# Altium PCB TD4_CPU.PcbDoc (part 1 of 3) (continued)
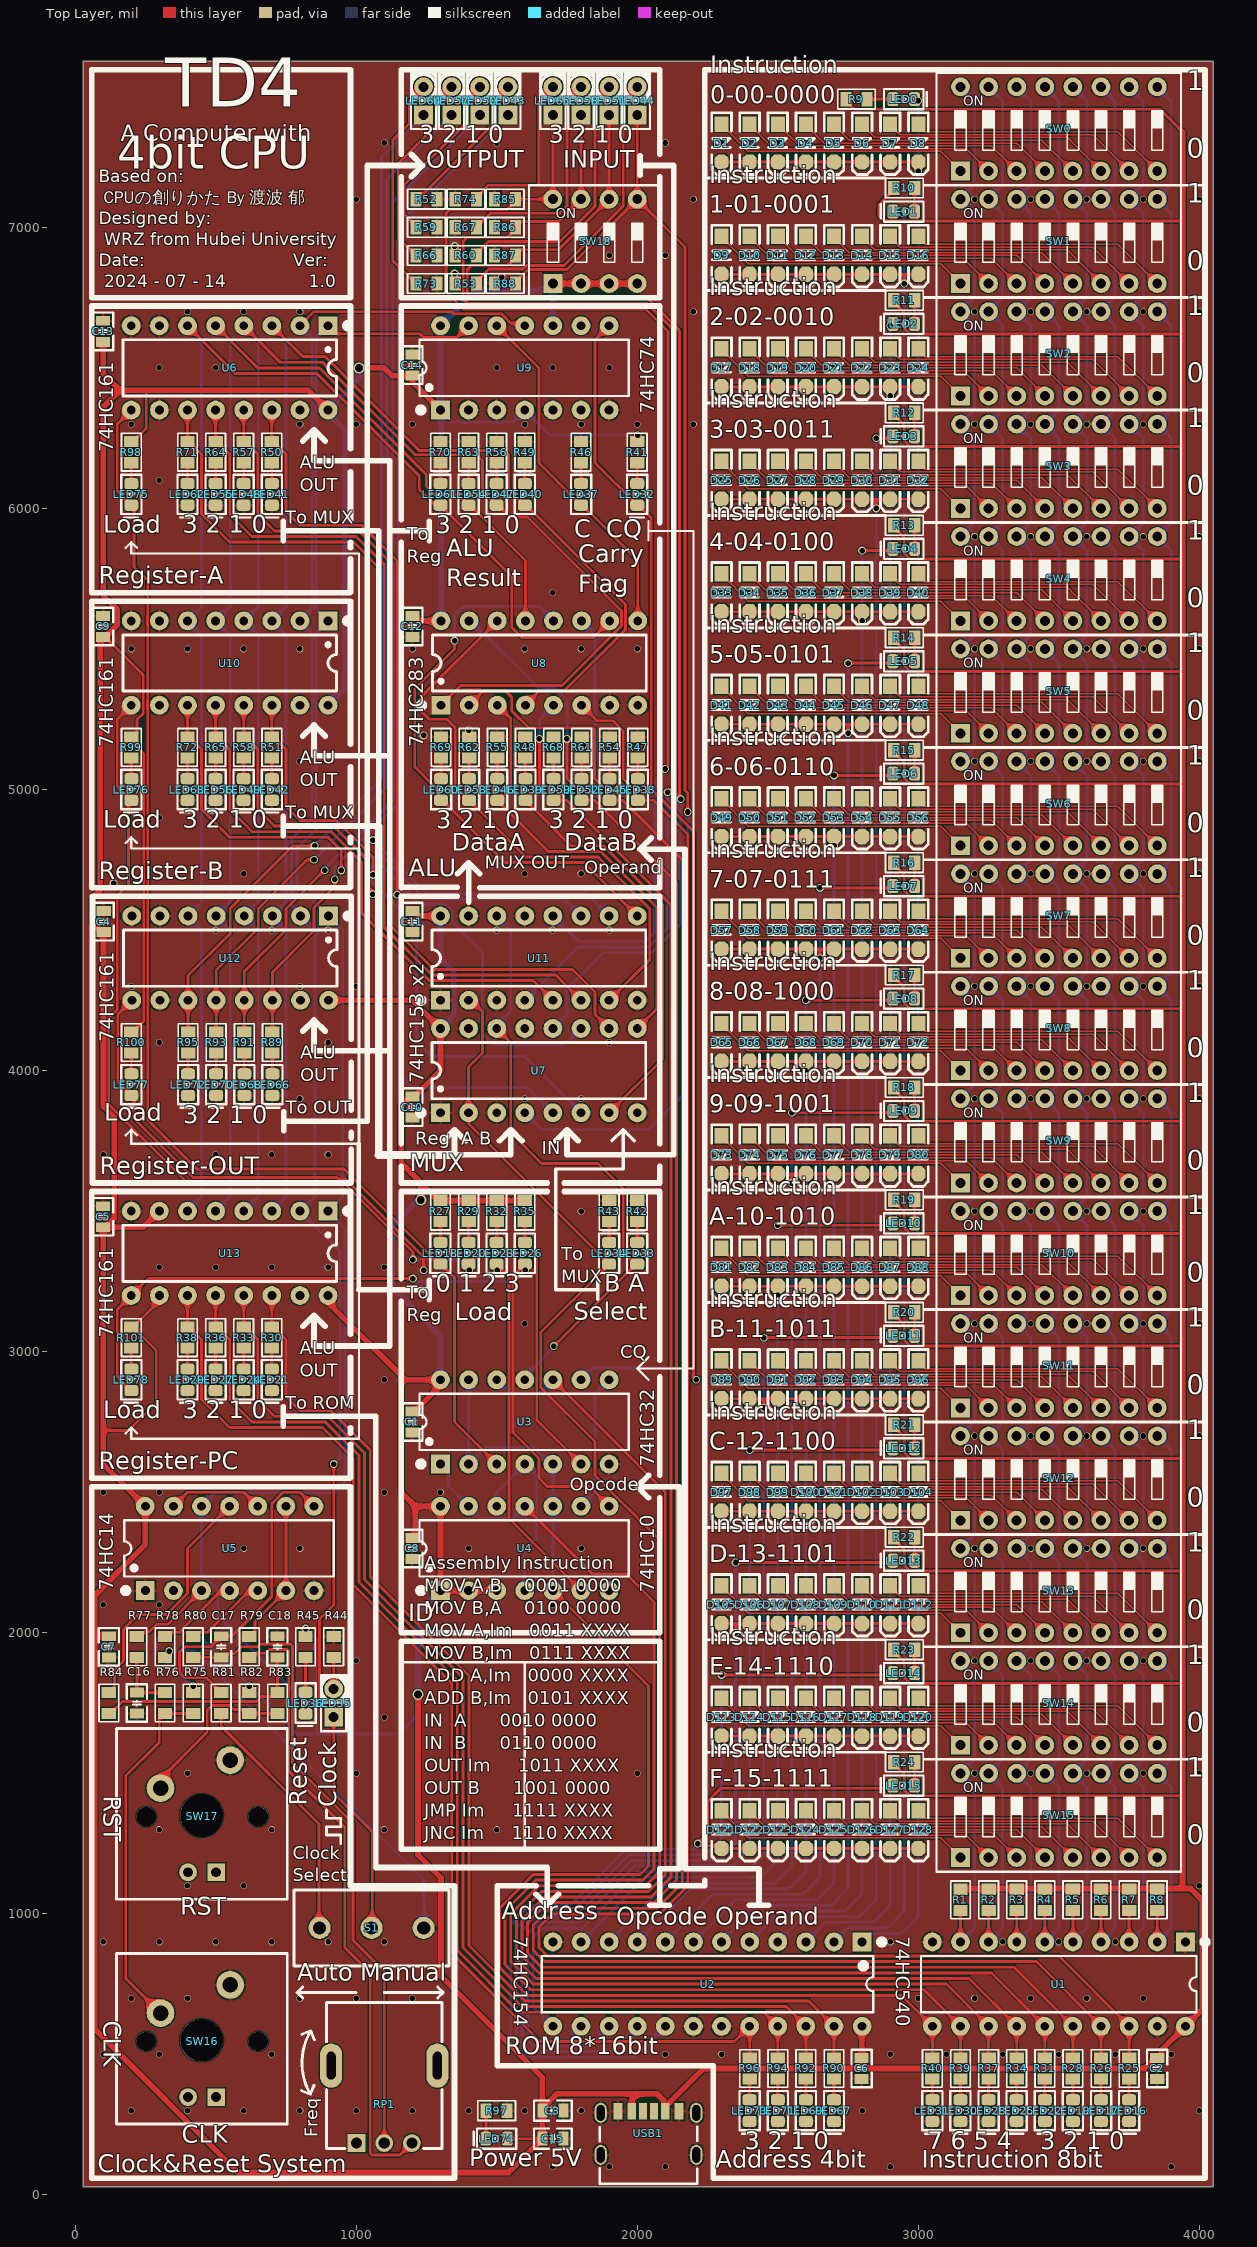
[diagram p0: Top Layer view]
## Components (designator, comment, footprint, x,y, rotation, side; value= is the part's Value field where it differs from the comment) (continued)
R35 "1K" R0805_L 1600,3500 r90 top
R36 "3K9" R0805_L 500,3050 r90 top
R37 "1K" R0805_L 3250,450 r90 top
R38 "3K9" R0805_L 400,3050 r90 top
R39 "1K" R0805_L 3150,450 r90 top
R40 "1K" R0805_L 3050,450 r90 top
R41 "1K" R0805_L 2000,6200 r90 top
R42 "820R" R0805_L 2000,3500 r270 top
R43 "820R" R0805_L 1900,3500 r270 top
R44 "1K" R0805_L 920,1950 r270 top
R45 "1K5" R0805_L 820,1950 r270 top
R46 "820R" R0805_L 1800,6200 r270 top
R47 "1K" R0805_L 2002,5150 r270 top
R48 "1K" R0805_L 1602,5150 r270 top
R49 "220R" R0805_L 1600,6200 r270 top
R50 "3K9" R0805_L 700,6200 r90 top
R51 "3K9" R0805_L 700,5150 r90 top
R52 "3K9" R0805_L 1250,7100 r180 top
R53 "1K" R0805_L 1390,6800 r0 top
R54 "1K" R0805_L 1902,5150 r270 top
R55 "1K" R0805_L 1502,5150 r270 top
R56 "220R" R0805_L 1500,6200 r270 top
R57 "3K9" R0805_L 600,6200 r90 top
R58 "3K9" R0805_L 600,5150 r90 top
R59 "3K9" R0805_L 1250,7000 r180 top
R60 "1K" R0805_L 1390,6900 r0 top
R61 "1K" R0805_L 1802,5150 r270 top
R62 "1K" R0805_L 1402,5150 r270 top
R63 "220R" R0805_L 1400,6200 r270 top
R64 "3K9" R0805_L 500,6200 r90 top
R65 "3K9" R0805_L 500,5150 r90 top
R66 "3K9" R0805_L 1250,6900 r180 top
R67 "1K" R0805_L 1390,7000 r0 top
R68 "1K" R0805_L 1702,5150 r270 top
R69 "1K" R0805_L 1302,5150 r270 top
R70 "220R" R0805_L 1300,6200 r270 top
R71 "3K9" R0805_L 400,6200 r90 top
R72 "3K9" R0805_L 400,5150 r90 top
R73 "3K9" R0805_L 1250,6800 r180 top
R74 "1K" R0805_L 1390,7100 r0 top
R75 "1K" R0805_L 420,1750 r90 top
R76 "10K" R0805_L 320,1750 r90 top
R77 "100K" R0805_L 220,1950 r90 top
R78 "100R" R0805_L 320,1950 r270 top
R79 "1K" R0805_L 620,1950 r90 top
R80 "100K" R0805_L 420,1950 r90 top
R81 "100R" R0805_L 520,1750 r270 top
R82 "1K" R0805_L 620,1750 r90 top
R83 "1K" R0805_L 720,1750 r90 top
R84 "1K" R0805_L 120,1750 r90 top
R85 "10K" R0805_L 1530,7100 r180 top
R86 "10K" R0805_L 1530,7000 r180 top
R87 "10K" R0805_L 1530,6900 r180 top
R88 "10K" R0805_L 1530,6800 r180 top
R89 "3K9" R0805_L 702,4100 r90 top
R90 "3K9" R0805_L 2700,450 r90 top
R91 "3K9" R0805_L 602,4100 r90 top
R92 "3K9" R0805_L 2600,450 r90 top
R93 "3K9" R0805_L 502,4100 r90 top
R94 "3K9" R0805_L 2500,450 r90 top
R95 "3K9" R0805_L 402,4100 r90 top
R96 "3K9" R0805_L 2400,450 r90 top
R97 "1K5" R0805_L 1500,300 r180 top
R98 "1K" R0805_L 200,6200 r90 top
R99 "1K" R0805_L 200,5150 r90 top
R100 "1K" R0805_L 200,4100 r90 top
R101 "1K" R0805_L 200,3050 r90 top
RP1 "50K" XV09223NPV-20F 1100,460 r0 top
S1 "SS-12F23" SS-12D10 1054.96,950 r180 top
SW0 "DIP-SW-8P" "SW DIP-8P-B" 3500,7350 r0 top
SW1 "DIP-SW-8P" "SW DIP-8P-B" 3500,6950 r0 top
SW2 "DIP-SW-8P" "SW DIP-8P-B" 3500,6550 r0 top
SW3 "DIP-SW-8P" "SW DIP-8P-B" 3500,6150 r0 top
SW4 "DIP-SW-8P" "SW DIP-8P-B" 3500,5750 r0 top
SW5 "DIP-SW-8P" "SW DIP-8P-B" 3500,5350 r0 top
SW6 "DIP-SW-8P" "SW DIP-8P-B" 3500,4950 r0 top
SW7 "DIP-SW-8P" "SW DIP-8P-B" 3500,4550 r0 top
SW8 "DIP-SW-8P" "SW DIP-8P-B" 3500,4150 r0 top
SW9 "DIP-SW-8P" "SW DIP-8P-B" 3500,3750 r0 top
SW10 "DIP-SW-8P" "SW DIP-8P-B" 3500,3350 r0 top
SW11 "DIP-SW-8P" "SW DIP-8P-B" 3500,2950 r0 top
SW12 "DIP-SW-8P" "SW DIP-8P-B" 3500,2550 r0 top
SW13 "DIP-SW-8P" "SW DIP-8P-B" 3500,2150 r0 top
SW14 "DIP-SW-8P" "SW DIP-8P-B" 3500,1750 r0 top
SW15 "DIP-SW-8P" "SW DIP-8P-B" 3500,1350 r0 top
SW16 "Cherry" "LSW DIP-CHERRY-Hat" 450,550 r0 top
SW17 "Cherry" "LSW DIP-CHERRY-Hat" 450,1350 r0 top
SW18 "DIP-SW-4P" "SW DIP-4P-B" 1850,6950 r0 top
U1 "SN74HC540" DIP20-300_MH 3500,750 r270 top
U2 "SN74HC154" DIP24-300_MH 2250,750 r270 top
U3 "SN74HC32" DIP14-300_MH 1600,2750 r90 top
U4 "SN74HC10" DIP14-300_MH 1600,2300 r90 top
U5 "SN74HC14" DIP14-300_MH 550,2300 r90 top
U6 "SN74HC161" DIP16-300_MH 550,6500 r270 top
U7 "SN74HC153" DIP16-300_MH 1650,4000 r90 top
U8 "SN74HC283" DIP16-300_MH 1652,5450 r90 top
U9 "SN74HC74" DIP14-300_MH 1600,6500 r90 top
U10 "SN74HC161" DIP16-300_MH 550,5450 r270 top
U11 "SN74HC153" DIP16-300_MH 1650,4400 r90 top
U12 "SN74HC161" DIP16-300_MH 552,4400 r270 top
U13 "SN74HC161" DIP16-300_MH 550,3350 r270 top
USB1 "USB_TYPE-C_6Pin" USB-C-SMD_6P 2040,220 r90 top

## Footprints (in the part's own frame and the unit in brackets; to place one, negate y for a bottom-side part, rotate by r counter-clockwise, add the part's x,y. Pads: shape width x height; smd on the part's side, far side on the other; paste and mask are expansions set on the pad)
C0805_L [mil] "贴片MLCC电容"
  rect 35x50 smd: 1(-37.4,0) 2(37.4,0)
  silkscreen extent -67,-36 67,36, body extent -39,-26 39,26, height 51
DIP14-300_MH [mm] "带底座  19*7.6*3.8(长宽高）"
  rect 1.7x1.7 hole 0.8: 1(-3.81,7.62)
  round 1.7 hole 0.8: 2(-3.81,5.08) 3(-3.81,2.54) 4(-3.81,0) 5(-3.81,-2.54) 6(-3.81,-5.08) 7(-3.81,-7.62) 8(3.81,-7.62) 9(3.81,-5.08) 10(3.81,-2.54) 11(3.81,0) 12(3.81,2.54) 13(3.81,5.08) 14(3.81,7.62)
  silkscreen extent -4.06,-9.4 2.54,9.65, body extent -5,-9.5 5,9.5, height 7.3
DIP16-300_MH [mm] "带底座 19.3*7.6*3.8(长宽高）"
  rect 1.7x1.7 hole 0.8: 1(-3.81,8.89)
  round 1.7 hole 0.8: 2(-3.81,6.35) 3(-3.81,3.81) 4(-3.81,1.27) 5(-3.81,-1.27) 6(-3.81,-3.81) 7(-3.81,-6.35) 8(-3.81,-8.89) 9(3.81,-8.89) 10(3.81,-6.35) 11(3.81,-3.81) 12(3.81,-1.27) 13(3.81,1.27) 14(3.81,3.81) 15(3.81,6.35) 16(3.81,8.89)
  silkscreen extent -4.06,-9.65 2.54,10.92, body extent -4.98,-10.25 5,10.25, height 7.5
DIP20-300_MH [mm] "带底座 26.4*7.6*3.8(长宽高）"
  rect 1.7x1.7 hole 0.8: 1(-3.81,11.43)
  round 1.7 hole 0.8: 2(-3.81,8.89) 3(-3.81,6.35) 4(-3.81,3.81) 5(-3.81,1.27) 6(-3.81,-1.27) 7(-3.81,-3.81) 8(-3.81,-6.35) 9(-3.81,-8.89) 10(-3.81,-11.43) 11(3.81,-11.43) 12(3.81,-8.89) 13(3.81,-6.35) 14(3.81,-3.81) 15(3.81,-1.27) 16(3.81,1.27) 17(3.81,3.81) 18(3.81,6.35) 19(3.81,8.89) 20(3.81,11.43)
  silkscreen extent -4.06,-12.45 2.54,13.46, body extent -5,-13.2 4.98,13.2, height 7.7
DIP24-300_MH [mm] "带底座 31*7.6*3.8(长宽高）"
  rect 1.7x1.7 hole 0.8: 1(-3.81,13.97)
  round 1.7 hole 0.8: 2(-3.81,11.43) 3(-3.81,8.89) 4(-3.81,6.35) 5(-3.81,3.81) 6(-3.81,1.27) 7(-3.81,-1.27) 8(-3.81,-3.81) 9(-3.81,-6.35) 10(-3.81,-8.89) 11(-3.81,-11.43) 12(-3.81,-13.97) 13(3.81,-13.97) 14(3.81,-11.43) 15(3.81,-8.89) 16(3.81,-6.35) 17(3.81,-3.81) 18(3.81,-1.27) 19(3.81,1.27) 20(3.81,3.81) 21(3.81,6.35) 22(3.81,8.89) 23(3.81,11.43) 24(3.81,13.97)
  silkscreen extent -4.06,-14.99 2.54,16, body extent -5.02,-15.5 5.03,15.5, height 7.7
LED0805_B [mil] "蓝色0805LED"
  rrect50% 40x50 smd: 1(-38.4,0) 2(38.4,0)
  silkscreen extent -70,-36 82,36, body extent -39,-25 39,25, height 32
"LED F257-W - duplicate" [mm] "透明色2mm*5mm*7mm(长*宽*高)"
  rect 1.7x1.7 hole 0.9: 1(-1.27,0)
  round 1.7 hole 0.9: 2(1.27,0)
  silkscreen extent -2.54,-1.14 2.54,1.14, body extent -2.5,-1 2.5,1, height 7
"LSW DIP-CHERRY-Hat" [mm]
  round 2.5 hole 1.4: 1(-3.708,2.464) 2(2.591,5.004)
  rect 1.6x1.6 hole 0.9: 3(1.321,-5.131)
  round 1.6 hole 0.9: 4(-1.219,-5.131)
  round 1.75 hole 1.75: ""(-5.004,-0.102) ""(5.131,-0.102)
  round 3.85 hole 3.85: ""(0,0)
  silkscreen extent -7.7,-7.57 7.75,7.85, body extent -9,-9 9,9, height 18
R0805_L [mm] "1/8W贴片电阻"
  rect 1x1.3 smd: 1(-0.95,0) 2(0.95,0)
  silkscreen extent -1.7,-0.89 1.7,0.89, body extent -1,-0.62 1,0.63, height 0.5
SOD-123 [mil] "2.7x1.6X1.1mm（长宽高，不包括引脚） 淘宝ID:黄晶宝石"
  rect 55x50 smd: 1(-67.5,0)
  oct 55x50 smd: 2(67.5,0)
  silkscreen extent -108,-35 112,35, body extent -73,-32 73,31, height 50
SS-12D10 [mm] "脚距3mm      淘宝ID:黄晶宝石"
  round 2 hole 1.2: 1(-4.7,0) 2(0,0) 3(4.7,0)
  silkscreen extent -7,-3.43 7,3.43, body extent -7,-3.1 7,3.1, height 9.65
"SW DIP-4P-B" [mm] "11.7*9.9*7mm"
  rect 1.7x1.7 hole 0.9: 1(-3.81,-3.81)
  round 1.7 hole 0.9: 2(-1.27,-3.81) 3(1.27,-3.81) 4(3.81,-3.81) 5(3.81,3.81) 6(1.27,3.81) 7(-1.27,3.81) 8(-3.81,3.81)
  silkscreen extent -5.97,-5.08 5.97,5.08, body extent -5.21,-3.92 5.21,3.93, height 5.2
"SW DIP-8P-B" [mm] "21.9*9.9*7mm"
  rect 1.7x1.7 hole 0.9: 1(-8.89,-3.81)
  round 1.7 hole 0.9: 2(-6.35,-3.81) 3(-3.81,-3.81) 4(-1.27,-3.81) 5(1.27,-3.81) 6(3.81,-3.81) 7(6.35,-3.81) 8(8.89,-3.81) 9(8.89,3.81) 10(6.35,3.81) 11(3.81,3.81) 12(1.27,3.81) 13(-1.27,3.81) 14(-3.81,3.81) 15(-6.35,3.81) 16(-8.89,3.81)
  silkscreen extent -11.05,-5.08 11.05,5.08, body extent -10.16,-4.02 10.16,4.02, height 5.2
USB-C-SMD_6P [mil] "封装库来自淘宝ID:黄晶宝石"
  oval 70.82x43.31 hole 27.56 slot 55.16 at 0 deg: 0(-77.75,170.08) 0(-77.75,-170.08) 0(71.85,170.08) 0(71.85,-170.08)
  rect 59x27.6 smd: A5(77.76,19.7) B5(77.76,-19.7)
  rect 59x29.9 smd: A9(77.76,-59.85) B9(77.76,59.85)
  rect 59x31.5 smd: A12(77.76,-108.25) B12(77.76,108.25)
  silkscreen extent -180,-174 22,174, body extent -172,-176 95,176, height 127
XV09223NPV-20F [mm] "长9.85mm，宽11.55mm，高20mm"
  oval 2x4 hole 0.8 slot 2.5 at 90 deg: 0(-4.8,0) 0(4.8,0)
  rect 1.6x1.6 hole 1: 1(-2.5,-7)
  round 1.6 hole 1: 2(0,-7) 3(2.5,-7)
  silkscreen extent -5.21,-7.49 5.21,5.71, body extent -4.92,-7.15 4.93,5.5, height 20

## Part data
C1 C2 C3 C4 C5 C6 C7 C8 C9 C10 C11 C12 C13 C14 C15 C16 C17 C18: library part C, "贴片电容/MLCC电容"
D1 D2 D3 D4 D5 D6 D7 D8 D9 D10 D11 D12 D13 D14 D15 D16 D17 D18 D19 D20 D21 D22 D23 D24 D25 D26 D27 D28 D29 D30 D31 D32 D33 D34 D35 D36 D37 D38 D39 D40 D41 D42 D43 D44 D45 D46 D47 D48 D49 D50 D51 D52 D53 D54 D55 D56 D57 D58 D59 D60 D61 D62 D63 D64 D65 D66 D67 D68 D69 D70 D71 D72 D73 D74 D75 D76 D77 D78 D79 D80 D81 D82 D83 D84 D85 D86 D87 D88 D89 D90 D91 D92 D93 D94 D95 D96 D97 D98 D99 D100 D101 D102 D103 D104 D105 D106 D107 D108 D109 D110 D111 D112 D113 D114 D115 D116 D117 D118 D119 D120 D121 D122 D123 D124 D125 D126 D127 D128: "肖特基二极管"
LED0 LED1 LED2 LED3 LED4 LED5 LED6 LED7 LED8 LED9 LED10 LED11 LED12 LED13 LED14 LED15 LED16 LED17 LED18 LED19 LED20 LED21 LED22 LED23 LED24 LED25 LED26 LED27 LED28 LED29 LED30 LED31 LED32 LED33 LED34 LED35 LED36 LED37 LED38 LED39 LED40 LED41 LED42 LED43 LED44 LED45 LED46 LED47 LED48 LED49 LED50 LED51 LED52 LED53 LED54 LED55 LED56 LED57 LED58 LED59 LED60 LED61 LED62 LED63 LED64 LED65 LED66 LED67 LED68 LED69 LED70 LED71 LED72 LED73 LED74 LED75 LED76 LED77 LED78: library part LED, "贴片LED"
R1 R2 R3 R4 R5 R6 R7 R8 R9 R10 R11 R12 R13 R14 R15 R16 R17 R18 R19 R20 R21 R22 R23 R24 R25 R26 R27 R28 R29 R30 R31 R32 R33 R34 R35 R36 R37 R38 R39 R40 R41 R42 R43 R44 R45 R46 R47 R48 R49 R50 R51 R52 R53 R54 R55 R56 R57 R58 R59 R60 R61 R62 R63 R64 R65 R66 R67 R68 R69 R70 R71 R72 R73 R74 R75 R76 R77 R78 R79 R80 R81 R82 R83 R84 R85 R86 R87 R88 R89 R90 R91 R92 R93 R94 R95 R96 R97 R98 R99 R100 R101: library part R, "贴片电阻"
RP1: library part RP, "单联电位器"
S1: library part SSW-1P, "1路波动开关"
SW0 SW1 SW2 SW3 SW4 SW5 SW6 SW7 SW8 SW9 SW10 SW11 SW12 SW13 SW14 SW15: "8路编码开关"
SW16 SW17: library part LSW, "带灯机械按键开关"
SW18: "4路编码开关"
U1: "OCTAL BUF AND LINE DRV 3SO"
U2: "4-16LINE DEC DEMUL"
U3: "Quad 2-IN Pos Or G"
U4: "Triple 3-IN Pos Nand G"
U5: "Hex Inverter SCH"
U6 U10 U12 U13: "SYN 4-BIT CNT"
U7 U11: "DUAL 4-1 LINE DATA SELEC/MUX"
U8: "4-BIT BIN ADD WITH FC"
U9: "DUAL D PET FF RS CR"
USB1: "USB_TYPE-C_6Pin母座"

## Via types
v1: diameter 23.62, hole 19.68, Top Layer to Bottom Layer, tented both sides, 253 vias
v2: diameter 27.56, hole 19.68, Top Layer to Bottom Layer, tented both sides, 77 vias
v3: diameter 39.37, hole 27.56, Top Layer to Bottom Layer, tented both sides, 3 vias

## Nets (pads, with @x,y where several pads share a name; then routed paths per layer and width w, separated by ;. In a path a pad name is that pad's centre, name@x,y a point inside that pad or via, vN(x,y) a via of type N, cw(c..) or ccw(c..) an arc to the next point about the centre after c; other vN are vias at no path point)
A_REG_0: R50.2 U6.14 U7.6 | length 3276.7
  Top Layer w10: R50.2@700,6237.4 U6.14@700,6350 ; R50.2@705.91,6237.4 750,6193.31 750,5990 800,5940 1020,5940 1145.66,5814.34 v2(1145.66,4625.25)
  Bottom Layer w10: v2(1145.66,4625.25) 1144.75,4625.25 1215,4555 1215,4105 1270,4050 1600,4050 U7.6@1800,3850
A_REG_1: R57.2 U6.13 U7.10 | length 3200.5
  Top Layer w10: R57.2@600,6237.4 U6.13@600,6350 ; R57.2@605.91,6237.4 650,6193.31 650,5979.7 709.7,5920 1010,5920 1120,5810 1120,4620 1120,4517.37 1277.37,4360 1770,4360 1850,4280 1850,4200 U7.10@1900,4150
A_REG_2: R64.2 U6.12 U11.6 | length 3110.5
  Top Layer w10: R64.2@500,6237.4 U6.12@500,6350 ; R64.2@505.91,6237.4 550,6193.31 550,5980 630,5900 1000,5900 1100,5800 1100,4620 1100,4510 1270,4340 1710,4340 U11.6@1800,4250
A_REG_3: R71.2 U6.11 U11.10 | length 3031.7
  Top Layer w10: R71.2@400,6237.4 U6.11@400,6350 ; R71.2@405.91,6237.4 450,6193.31 450,5979.7 549.7,5880 990,5880 1080,5790 1080,4832.5 1067.5,4820 v2(1060,4820)
  Bottom Layer w10: v2(1060,4820) 1250,4630 1820,4630 U11.10@1900,4550
Addr0: R30.2 R90.2 U2.23 U13.14 | length 4200.6
  Top Layer w10: U13.14@700,3200 R30.2@700,3087.4 705.91,3087.4 750,3043.31 750,2840 800,2790 910,2790 1050,2650 1050,2200 1402,1848 1402,888 1600,690 2610,690 U2.23@2700,600 R90.2@2700,487.4
Addr1: R33.2 R92.2 U2.22 U13.13 | length 4209
  Top Layer w10: R33.2@600,3087.4 R33.2@605.91,3087.4 ; U13.13@600,3200 600,3093.31 R33.2@605.91,3087.4 ; R92.2@2600,487.4 U2.22@2600,600 2530,670 1590,670 1380,880 1380,1840 1030,2190 1030,2640 900,2770 709.7,2770 650,2829.7 650,3043.31 R33.2@605.91,3087.4
Addr2: R36.2 R94.2 U2.21 U13.12 | length 4206.4
  Top Layer w10: U13.12@500,3200 R36.2@500,3087.4 505.91,3087.4 550,3043.31 550,2830 630,2750 890,2750 1010,2630 1010,2180 1360,1830 1360,870 1580,650 2450,650 U2.21@2500,600 R94.2@2500,487.4
Addr3: R38.2 R96.2 U2.20 U13.11 | length 4251.3
  Top Layer w10: U13.11@400,3200 R38.2@400,3087.4 405.91,3087.4 450,3043.31 450,2829.7 549.7,2730 880,2730 990,2620 990,2170 1340,1820 1340,860 1654,546 2346,546 U2.20@2400,600 R96.2@2400,487.4
ALU_A0: LED39.1 U7.7 U8.5 | length 1841.8
  Top Layer w10: v2(1652,5180) 1652,5011.6 1618.91,4978.51 1618.91,4976.22 1604.29,4961.6 LED39.1@1602,4961.6 1763.6,4800 1880,4800 2090,4590 2090,4040 U7.7@1900,3850
  Bottom Layer w10: v2(1652,5180) 1652,5250 U8.5@1702,5300
ALU_A1: LED46.1 U7.9 U8.3 | length 1566.2
  Top Layer w10: U8.3@1502,5300 1550,5252 1550,5004.6 1507,4961.6 LED46.1@1502,4961.6 1683.6,4780 1870,4780 2070,4580 2070,4220 U7.9@2000,4150
ALU_A2: LED53.1 U8.14 U11.7 | length 2049.5
  Top Layer w10: U8.14@1502,5600 1230,5328 1230,5280 1260,5250 1322.6,5250 1352.6,5220 1352.6,5011 1385.09,4978.51 1385.09,4976.22 1399.71,4961.6 LED53.1@1402,4961.6 1404.29,4961.6 1418.91,4946.98 1418.91,4944.69 1603.6,4760 1860,4760 2044.5,4575.5 2044.5,4394.5 U11.7@1900,4250
ALU_A3: LED60.1 U8.12 U11.9 | length 2010.8
  Top Layer w10: v2(1350,5530) 1350,5500 1208.72,5358.72 1208.72,5079.81 1291.93,4996.6 1291.93,4971.67 LED60.1@1302,4961.6 1307,4961.6 1528.6,4740 1810,4740 U11.9@2000,4550
  Bottom Layer w10: v2(1350,5530) 1350,5620 1382,5652 1650,5652 U8.12@1702,5600
ALU_OUT0: LED40.1 U6.3 U8.4 U10.3 U12.3 U13.3 | length 5573.5
  Top Layer w10: U6.3@700,6650 810,6540 890,6540 1224.36,6205.64 1527.64,6205.64 1542,6191.28 1542,6069.6 1583.09,6028.51 1583.09,6026.22 1597.71,6011.6 LED40.1@1600,6011.6 1605,6011.6 1958.46,5658.13 1958.46,5568.46 1740,5350 1652,5350 U8.4@1602,5300
  Bottom Layer w10: U13.3@700,3500 750,3550 750,4500 700,4550 750,4600 750,5550 U10.3@700,5600 750,5650 750,6600 U6.3@700,6650
ALU_OUT1: LED47.1 U6.4 U8.1 U10.4 U12.4 U13.4 | length 5925.2
  Top Layer w10: U6.4@600,6650 730,6520 880,6520 1208.72,6191.28 1429.32,6191.28 1450,6170.6 1450,6061.6 1483.09,6028.51 1483.09,6026.22 1497.71,6011.6 LED47.1@1500,6011.6 1505,6011.6 1546.6,5970 1610,5970 1944.46,5635.54 1944.46,5582.41 1732.05,5370 1372,5370 U8.1@1302,5300
  Bottom Layer w10: U13.4@600,3500 652,3552 652,4500 U12.4@602,4550 600,4550 652,4602 652,5550 602,5600 U10.4@600,5600 652,5652 652,6600 602,6650 U6.4@600,6650
ALU_OUT2: LED54.1 U6.5 U8.13 U10.5 U12.5 U13.5 | length 4970.2
  Top Layer w10: U6.5@500,6650 650,6500 870,6500 1250,6120 1250,6077.64 1277.64,6050 1361.6,6050 LED54.1@1400,6011.6 1405,6011.6 1602,5814.6 U8.13@1602,5600
  Bottom Layer w10: U13.5@500,3500 552,3552 552,4500 U12.5@502,4550 500,4550 552,4602 552,5550 502,5600 U10.5@500,5600 552,5652 552,6600 502,6650 U6.5@500,6650
ALU_OUT3: LED61.1 U6.6 U8.10 U10.6 U12.6 U13.6 | length 5396.7
  Top Layer w10: U6.6@400,6650 570,6480 860,6480 1224.36,6115.64 1224.36,6067.64 1280.4,6011.6 LED61.1@1300,6011.6 1302.29,6011.6 1316.91,5996.98 1316.91,5994.69 1553.7,5757.9 1553.7,5576.3 1590,5540 1842,5540 U8.10@1902,5600
  Bottom Layer w10: U13.6@400,3500 450,3550 450,4500 400,4550 450,4600 450,5550 U10.6@400,5600 450,5650 450,6600 U6.6@400,6650
B_REG_0: R51.2 U7.5 U10.14 | length 2190.1
  Top Layer w10: R51.2@700,5187.4 U10.14@700,5300 ; R51.2@705.91,5187.4 750,5143.31 750,4940 800,4890 930,4890 1060,4760 v2(1060,4696) ; U7.5@1691.48,3858.52 U7.5@1700,3850
  Bottom Layer w10: v2(1060,4696) 1060,4669.71 1160,4569.71 1160,3980 1200,3940 1610,3940 U7.5@1700,3850
B_REG_1: R58.2 U7.11 U10.13 | length 2328.9
  Top Layer w10: R58.2@600,5187.4 U10.13@600,5300 ; R58.2@605.91,5187.4 650,5143.31 650,4929.7 709.7,4870 920,4870 1040,4750 1040,4708.22 1037.22,4705.44 1037.22,4660.28 1059,4638.5 v2(1059,4628)
  Bottom Layer w10: v2(1059,4628) 1059,4634.64 1037.22,4656.42 1037.22,4707.22 1060,4730 1090,4730 1227.54,4592.46 1317.59,4592.46 1342.46,4567.59 1342.46,4527.54 1450,4420 1450,4130 1490,4090 1740,4090 U7.11@1800,4150
B_REG_2: R65.2 U10.12 U11.5 | length 1925.4
  Top Layer w10: R65.2@500,5187.4 U10.12@500,5300 ; R65.2@505.91,5187.4 550,5143.31 550,4930 630,4850 910,4850 1020,4740 1020,4560 1260,4320 1630,4320 U11.5@1700,4250
B_REG_3: R72.2 U10.11 U11.11 | length 1977.2
  Top Layer w10: R72.2@400,5187.4 U10.11@400,5300 ; R72.2@405.91,5187.4 450,5143.31 450,4929.7 549.7,4830 900,4830 947,4783 v2(947,4712)
  Bottom Layer w10: v2(947,4712) 995,4760 1095.08,4760 1245.08,4610 1740,4610 U11.11@1800,4550
C: LED37.1 U8.9 U9.12 | length 1262.2
  Top Layer w10: U9.12@1500,6650 1650,6500 1650,6161.6 1783.09,6028.51 1783.09,6026.22 1797.71,6011.6 LED37.1@1800,6011.6 1805,6011.6 2002,5814.6 U8.9@2002,5600
C\: LED32.2 U3.9 U9.8 | length 4367.9
  Top Layer w10: U9.8@1900,6650 1850,6600 1850,6161.6 LED32.2@2000,6011.6 2005,6011.6 2050,5966.6 2050,5001.67 2200,4851.67 2200,2910 v2(2210,2900)
  Bottom Layer w10: U3.9@1800,2900 1842.46,2942.46 2167.54,2942.46 v2(2210,2900)
COM0: D1.2 D2.2 D3.2 D4.2 D5.2 D6.2 D7.2 D8.2 LED0.2 U2.1 | length 7402
  Top Layer w10: D1.2@2300,7232.5 D2.2@2400,7232.5 D3.2@2500,7232.5 D4.2@2600,7232.5 D5.2@2700,7232.5 D6.2@2800,7232.5 D7.2@2900,7232.5 D8.2@3000,7232.5 ; LED0.2@2996.64,7453.36 v2(3000,7450)
  Bottom Layer w10: U2.1@2800,900 2830,930 2940,930 3000,990 v2(3000,7200) v2(3000,7450)
COM1: D9.2 D10.2 D11.2 D12.2 D13.2 D14.2 D15.2 D16.2 LED1.2 U2.2 | length 7110.8
  Top Layer w10: D9.2@2300,6832.5 D10.2@2400,6832.5 D11.2@2500,6832.5 D12.2@2600,6832.5 D13.2@2700,6832.5 D14.2@2800,6832.5 D15.2@2900,6832.5 2950,6832.5 ; LED1.2@2909.85,7056.25 2916.1,7050 v2@2950,7050 ; v2(2950,6800) 2950,6832.5 ; D16.2@3000,6832.5 2950,6832.5
  Bottom Layer w10: U2.2@2700,900 2750,950 2890,950 2950,1010 v2(2950,6800) v2@2950,7050
  other v2: 2943,7050
COM2: D17.2 D18.2 D19.2 D20.2 D21.2 D22.2 D23.2 D24.2 LED2.2 U2.3 | length 6673.8
  Top Layer w10: D17.2@2300,6432.5 D18.2@2400,6432.5 D19.2@2500,6432.5 D20.2@2600,6432.5 D21.2@2700,6432.5 D22.2@2800,6432.5 D23.2@2900,6432.5 D24.2@3000,6432.5
  Bottom Layer w10: U2.3@2600,900 2670,970 2840,970 2900,1030 v2(2900,6400) v2(2900,6650)
COM3: D25.2 D26.2 D27.2 D28.2 D29.2 D30.2 D31.2 D32.2 LED3.2 U2.4 | length 6404.5
  Top Layer w10: D25.2@2300,6032.5 D26.2@2400,6032.5 D27.2@2500,6032.5 D28.2@2600,6032.5 D29.2@2700,6032.5 D30.2@2800,6032.5 2850,6032.5 ; v2(2850,6000) 2850,6032.5 ; v2(2850,6250) LED3.2@2909.85,6250 ; D32.2@3000,6032.5 D31.2@2900,6032.5 2850,6032.5
  Bottom Layer w10: U2.4@2500,900 2590,990 2790,990 2850,1050 v2(2850,6000) v2(2850,6250)
COM4: D33.2 D34.2 D35.2 D36.2 D37.2 D38.2 D39.2 D40.2 LED4.2 U2.5 | length 6070.4
  Top Layer w10: D33.2@2300,5632.5 D34.2@2400,5632.5 D35.2@2500,5632.5 D36.2@2600,5632.5 D37.2@2700,5632.5 D38.2@2800,5632.5 D39.2@2900,5632.5 D40.2@3000,5632.5 ; v2(2800,5850) LED4.2@2920,5850
  Bottom Layer w10: U2.5@2400,900 2510,1010 2740,1010 2800,1070 v2(2800,5600) v2(2800,5850)
COM5: D41.2 D42.2 D43.2 D44.2 D45.2 D46.2 D47.2 D48.2 LED5.2 U2.6 | length 5781
  Top Layer w10: D41.2@2300,5232.5 D42.2@2400,5232.5 D43.2@2500,5232.5 D44.2@2600,5232.5 D45.2@2700,5232.5 2750,5232.5 ; v2(2750,5200) 2750,5232.5 ; v2(2750,5450) LED5.2@2909.85,5450 ; D48.2@3000,5232.5 D47.2@2900,5232.5 D46.2@2800,5232.5 2750,5232.5
  Bottom Layer w10: U2.6@2300,900 2430,1030 2690,1030 2750,1090 v2(2750,5200) v2(2750,5450)
COM6: D49.2 D50.2 D51.2 D52.2 D53.2 D54.2 D55.2 D56.2 LED6.2 U2.7 | length 5436.8
  Top Layer w10: D49.2@2300,4832.5 D50.2@2400,4832.5 D51.2@2500,4832.5 D52.2@2600,4832.5 D53.2@2700,4832.5 D54.2@2800,4832.5 D55.2@2900,4832.5 D56.2@3000,4832.5 ; v2(2700,5050) LED6.2@2909.85,5050
  Bottom Layer w10: U2.7@2200,900 2350,1050 2640,1050 2700,1110 v2(2700,4800) v2(2700,5050)
COM7: D57.2 D58.2 D59.2 D60.2 D61.2 D62.2 D63.2 D64.2 LED7.2 U2.8 | length 5157.6
  Top Layer w10: D57.2@2300,4432.5 D58.2@2400,4432.5 D59.2@2500,4432.5 D60.2@2600,4432.5 2650,4432.5 ; v2(2650,4400) 2650,4432.5 ; v2(2650,4650) LED7.2@2909.85,4650 ; D64.2@3000,4432.5 D63.2@2900,4432.5 D62.2@2800,4432.5 D61.2@2700,4432.5 2650,4432.5
  Bottom Layer w10: U2.8@2100,900 2270,1070 2590,1070 2650,1130 v2(2650,4400) v2(2650,4650)
COM8: D65.2 D66.2 D67.2 D68.2 D69.2 D70.2 D71.2 D72.2 LED8.2 U2.9 | length 4813.4
  Top Layer w10: D65.2@2300,4032.5 D66.2@2400,4032.5 D67.2@2500,4032.5 D68.2@2600,4032.5 D69.2@2700,4032.5 D70.2@2800,4032.5 D71.2@2900,4032.5 D72.2@3000,4032.5 ; v2(2600,4250) LED8.2@2909.85,4250
  Bottom Layer w10: U2.9@2000,900 2190,1090 2540,1090 2600,1150 v2(2600,4000) v2(2600,4250)
COM9: D73.2 D74.2 D75.2 D76.2 D77.2 D78.2 D79.2 D80.2 LED9.2 U2.10 | length 4534.2
  Top Layer w10: D73.2@2300,3632.5 D74.2@2400,3632.5 D75.2@2500,3632.5 2550,3632.5 ; v2(2550,3600) 2550,3632.5 ; v2(2550,3850) LED9.2@2909.85,3850 ; D80.2@3000,3632.5 D79.2@2900,3632.5 D78.2@2800,3632.5 D77.2@2700,3632.5 D76.2@2600,3632.5 2550,3632.5
  Bottom Layer w10: U2.10@1900,900 2110.05,1110.05 2490.05,1110.05 2550,1170 v2(2550,3600) v2(2550,3850)
COM10: D81.2 D82.2 D83.2 D84.2 D85.2 D86.2 D87.2 D88.2 LED10.2 U2.11 | length 4190
  Top Layer w10: D81.2@2300,3232.5 D82.2@2400,3232.5 D83.2@2500,3232.5 D84.2@2600,3232.5 D85.2@2700,3232.5 D86.2@2800,3232.5 D87.2@2900,3232.5 D88.2@3000,3232.5 ; v2(2500,3450) LED10.2@2909.85,3450
  Bottom Layer w10: U2.11@1800,900 2030,1130 2440,1130 2500,1190 v2(2500,3200) v2(2500,3450)
COM11: D89.2 D90.2 D91.2 D92.2 D93.2 D94.2 D95.2 D96.2 LED11.2 U2.13 | length 4320.3
  Top Layer w10: D89.2@2300,2832.5 D90.2@2400,2832.5 2450,2832.5 ; v2(2450,2800) 2450,2832.5 ; v2(2450,3050) LED11.2@2909.85,3050 ; D96.2@3000,2832.5 D95.2@2900,2832.5 D94.2@2800,2832.5 D93.2@2700,2832.5 D92.2@2600,2832.5 D91.2@2500,2832.5 2450,2832.5
  Bottom Layer w10: U2.13@1700,600 1630,670 1630,918 1662,950 1804.92,950 2004.92,1150 2390,1150 2450,1210 v2(2450,2800) v2(2450,3050)
COM12: D97.2 D98.2 D99.2 D100.2 D101.2 D102.2 D103.2 D104.2 LED12.2 U2.14 | length 4115.5
  Top Layer w10: D97.2@2300,2432.5 D98.2@2400,2432.5 D99.2@2500,2432.5 D100.2@2600,2432.5 D101.2@2700,2432.5 D102.2@2800,2432.5 D103.2@2900,2432.5 D104.2@3000,2432.5 ; v2(2400,2650) LED12.2@2909.85,2650
  Bottom Layer w10: U2.14@1800,600 1750,550 1641,550 1610,581 1610,928 1652,970 1790,970 1990,1170 2340,1170 2400,1230 v2(2400,2400) v2(2400,2650)
COM13: D105.2 D106.2 D107.2 D108.2 D109.2 D110.2 D111.2 D112.2 LED13.2 U2.15 | length 3905.7
  Top Layer w10: D105.2@2300,2032.5 2350,2032.5 ; v2(2350,2000) 2350,2032.5 ; v2(2350,2250) LED13.2@2909.85,2250 ; D112.2@3000,2032.5 D111.2@2900,2032.5 D110.2@2800,2032.5 D109.2@2700,2032.5 D108.2@2600,2032.5 D107.2@2500,2032.5 D106.2@2400,2032.5 2350,2032.5
  Bottom Layer w10: U2.15@1900,600 1830,530 1631,530 1590,571 1590,940 1640,990 1780,990 1980,1190 2290,1190 2350,1250 v2(2350,2000) v2(2350,2250)
COM14: D113.2 D114.2 D115.2 D116.2 D117.2 D118.2 D119.2 D120.2 LED14.2 U2.16 | length 3630.5
  Top Layer w10: D113.2@2300,1632.5 D114.2@2400,1632.5 D115.2@2500,1632.5 D116.2@2600,1632.5 D117.2@2700,1632.5 D118.2@2800,1632.5 D119.2@2900,1632.5 D120.2@3000,1632.5 ; v2(2300,1850) LED14.2@2910,1850
  Bottom Layer w10: U2.16@2000,600 1910,510 1620,510 1570,560 1570,950 1630,1010 1770,1010 1970,1210 2240,1210 2300,1270 v2(2300,1600) v2(2300,1850)
COM15: D121.2 D122.2 D123.2 D124.2 D125.2 D126.2 D127.2 D128.2 LED15.2 U2.17 | length 3453.4
  Top Layer w10: LED15.2@2909.85,1456.25 2900.6,1447 2297,1447 2250,1400 2250,1285 v2(2215,1250) 2219.75,1250 2227.25,1242.5 2290,1242.5 D121.2@2300,1232.5 D122.2@2400,1232.5 D123.2@2500,1232.5 D124.2@2600,1232.5 D125.2@2700,1232.5 D126.2@2800,1232.5 D127.2@2900,1232.5 D128.2@3000,1232.5
  Bottom Layer w10: U2.17@2100,600 1990,490 1610,490 1550,550 1550,960 1620,1030 1760,1030 1960,1230 2200,1230 v2@2215,1245
Data0: LED38.1 R25.2 U1.18 U8.6 | length 7414.6
  Top Layer w10: U8.6@1802,5300 1857.45,5244.55 1913.91,5244.55 1950,5208.46 1950,5038.53 1991.93,4996.6 1991.93,4971.67 LED38.1@2002,4961.6 2058.1,4961.6 2180,4839.7 2180,4630 2180,1100 2080,1000 1697.58,1000 1650,952.42 1650,880 1680,850 3500,850 U1.18@3750,600 R25.2@3750,487.4